# KiCad board pcb.kicad_pcb (continued)
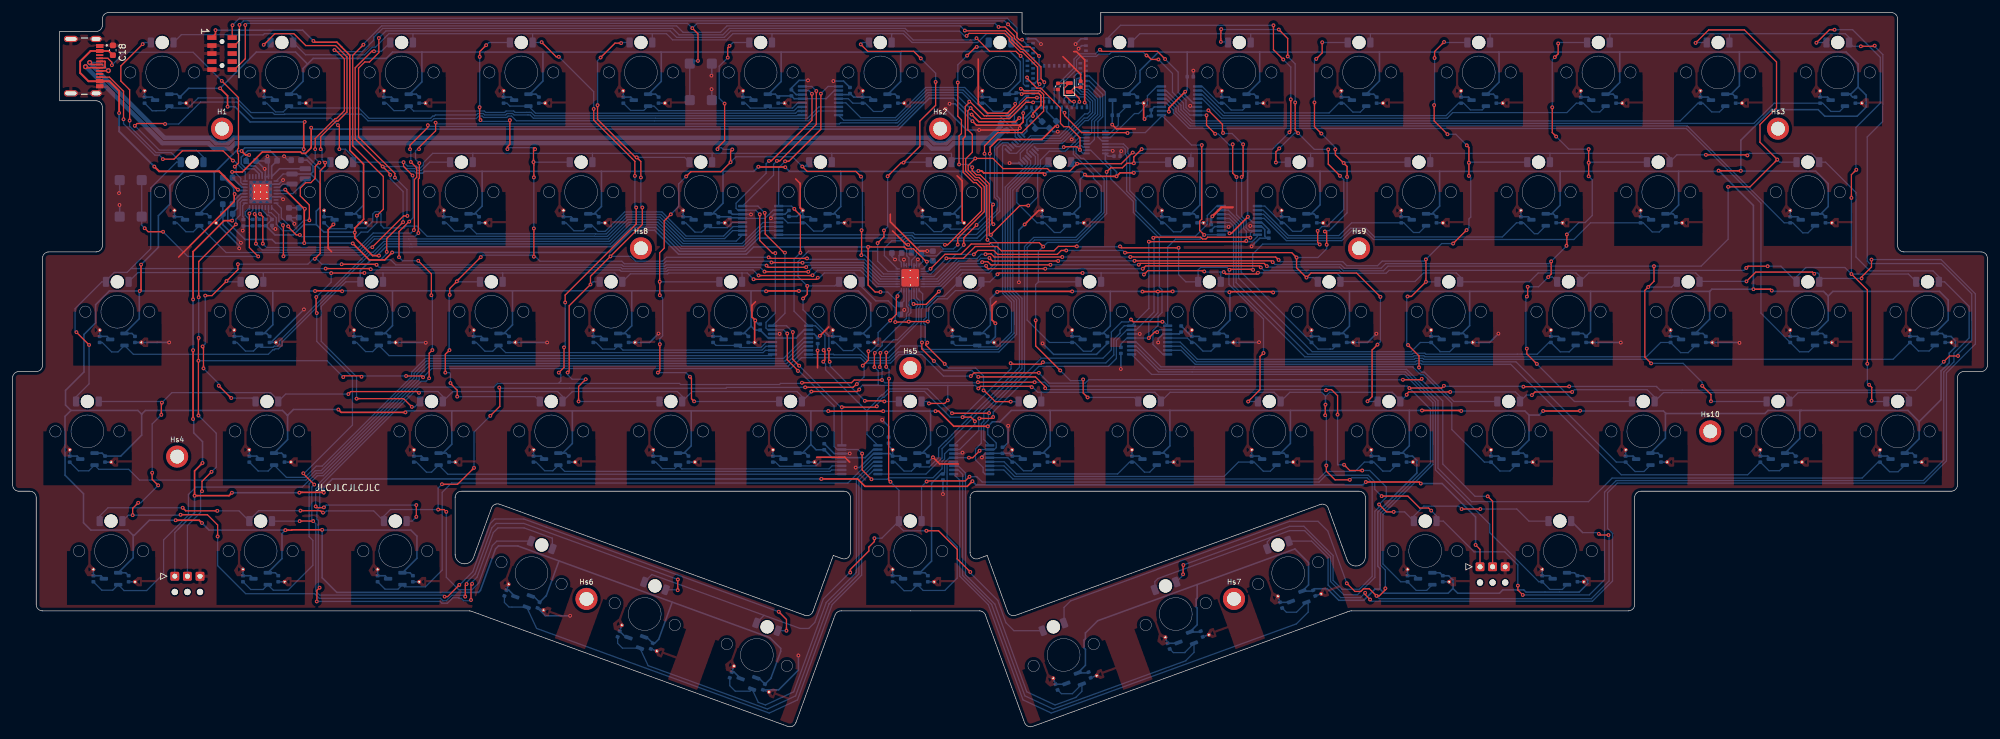
[diagram p0: board, top side]
## Routing (per net, layer and track width the routed paths; a pad name or vN(x,y) marks a point on that pad's centre or on a via; arc(x,y) is an arc through that point) (continued)
/VDD_nRF: length 232
  Top w0.25: JTAG1.1 32.21,109.96 v1(32.21,110.57) ; v1(155.13,90.93) 155.18,90.98 155.18,91.97 156.41,93.2 163.4,93.2 165.49,95.29 v1(165.86,95.29) ; v1(58.16,74.75) 57.16,74.75 54.32,77.59 v1(54.32,78.42) 54.32,79.12 55.72,80.52 55.72,89.27 53.53,91.46 53.53,106.58 52.23,107.88 52.23,107.9 51.48,108.65 47.95,108.65 v1(47.75,108.85) ; v1(155.66,82.87) 155.48,82.7 155.48,79.96 v1(155.7,79.74)
  Bottom w0.2: PMIC1.1 42.94,87.72 L1.1 ; R3.1 R4.1 40.2,79.52 C13.2 41.18,80.63 40.63,81.18 40.43,81.18 39.62,81.98 PMIC1.12
  Bottom w0.25: 47.35,87.72 48.84,86.23 48.84,82.45 48.21,81.82 48.21,79.69 ; 47.35,87.72 L1.1 ; 47.35,87.72 47.69,88.05 47.69,88.98 46.75,89.92 C25.1 ; v1(155.7,79.74) 155.31,79.74 153.12,77.55 143.2,77.55 142.78,77.96 141.56,77.96 141.14,77.55 118.4,77.55 116.3,75.44 105.9,75.44 102.11,79.23 98.13,79.23 95.08,76.18 63.4,76.18 63.05,76.18 59.27,76.18 58.16,75.07 v1(58.16,74.75) ; R4.1 41.66,78.04 44.57,78.04 46.22,79.69 48.21,79.69 ; v1(165.86,95.29) 165.7,95.46 C3.1 164.15,97.64 MDBT1.28 MDBT1.30 ; 48.21,79.69 49.41,78.49 54.24,78.49 v1(54.32,78.42) ; v1(155.13,90.93) 155.18,90.88 155.18,83.34 v1(155.66,82.87) ; v1(32.21,110.57) 32.23,110.55 46.05,110.55 v1(47.75,108.85)
GND: length 552.6
  Top w0.25: v1(127.79,59.69) 127.79,56.95 ; 117.93,67.42 117.37,66.86 117.37,65.01 v1(117.9,64.48) 117.8,64.38 Cvcc35.2 ; v1(128.15,62.02) 129.56,63.43 ; v1(146.11,42.73) 147.17,41.68 150.16,41.68 ; v1(179.7,96.45) 179.55,96.6 Cvcc9.2 ; 132.88,41.97 132.11,42.74 127.64,42.74 ; v1(156.02,64.01) 155.48,64.55 155.48,66.83 156.15,67.5 ; 159.9,95.46 v1(159.9,95) 159.6,94.71 v1(153.44,94.71) 153.41,94.74 ; 159.9,95.46 160.43,96 v1(160.43,97.39) ; 159.9,95.46 153.01,95.46 v1(152.37,96.11) ; v1(35.25,84.54) 35.18,84.48 35.18,83.36 26.36,74.53 ; v1(159.16,98.86) 159.16,98.6 157.95,97.39 154.77,97.39 153.3,98.86 153.3,105.95 ; C2.2 169.55,103.55 166.75,106.35 ; 165.86,94.39 v1(165.92,94.45) ; 178.23,94.9 175.22,94.9 v1(174.56,95.56) ; 149.96,87.43 150.75,86.64 150.75,80.27 Cvcc22.2 ; 139.69,78.69 141.89,76.49 v1(142.17,76.49) ; 139.34,81.34 139.34,80.13 143.98,75.49 v1(145.19,75.49) ; 168.45,107.16 168.89,107.16 170.19,105.85 v1(170.19,99.07) ; 50.64,75.39 50.09,75.94 50.09,78.88 v1(50.93,79.72) ; 124.31,86.94 125.02,86.22 125.02,82.35 Cvout21.2 ; Cvout23.2 162.88,81.93 v1(160.66,79.71)
  Top w0.35: 193.7,82.43 191.9,82.43 v1(190.46,80.99)
  Bottom w0.2: LEDDR1.33 143.1,71.85 LEDDR1.30 LEDDR1.31 143.5,73.94 v1(143.72,74.16) ; LEDDR1.27 LEDDR1.26 v1(141.5,74.13)
  Bottom w0.25: TMR48.3 83.88,42.93 Cvout48.2 ; Cvout33.2 74.38,61.93 TMR33.3 ; v1(41.72,78.98) 41.37,78.98 41.18,79.17 C13.1 ; TMR68.3 202.82,19.7 Cvout68.2 ; Cvcc62.2 84.57,17.57 v1(88.5,17.57) ; Cvout21.2 124.5,80.98 C15.2 ; Cvout52.2 159.88,42.93 TMR52.3 ; Cvout52.2 158.26,43.37 C31.2 155.16,43.37 MUXB8.3 154.38,43.32 153.88,42.82 v1(153.88,42.72) ; Cvout52.2 158.69,42.93 ; Cvout51.2 139.07,44.56 C17.2 ; Cvout10.2 193.13,99.93 TMR10.3 ; Cvcc32.2 65.55,60.97 v1(65.59,60.93) ; Cvout24.2 183.63,80.93 TMR24.3 ; MDBT1.33 160.43,97.78 v1(160.43,97.39) ; Cvout21.2 126.63,80.93 TMR21.3 ; C7.1 114.25,81.32 MUXB2.14 117.19,81.32 v1(117.22,81.3) ; TMR49.3 102.88,42.93 Cvout49.2 ; Cvout28.2 259.63,80.93 TMR28.3 ; TMR45.3 10.26,42.93 Cvout45.2 ; TMR26.3 221.63,80.93 Cvout26.2 ; Cvout59.2 14.01,23.93 TMR59.3 ; v1(147.69,36.89) C24.1 ; Cvout53.2 178.88,42.93 TMR53.3 ; Cvout11.2 212.13,99.93 TMR11.3 ; Cvcc24.2 188.36,79.97 ; v1(196.68,76.23) 197.98,77.53 C22.1 199.11,77.53 198.78,77.85 198.78,78.89 198.31,79.37 MUXB6.14 ; v1(40.46,90.54) 40.44,90.52 C26.2 ; TMR39.3 188.38,61.93 Cvout39.2 187.17,61.93 C30.1 ; v1(146.11,42.73) 145.34,41.97 Cvcc51.2 ; C26.2 40.39,89.79 C27.2 38.76,89.79 v1(40.01,88.54) 40.12,88.42 PMIC1.30 ; C26.2 40.62,89.65 PMIC1.31 PMIC1.30 ; Cvcc9.2 178.86,98.97 ; Cvout5.2 98.13,99.93 TMR5.3 ; TMR43.3 264.38,61.93 Cvout43.2 ; C16.2 127.81,59.71 v1(127.79,59.69) ; v1(159.16,98.86) 159.34,99.04 Cvcc8.2 ; 175.81,90.56 C20.1 175.81,91.17 v1(176,91.36) ; Cvout4.2 79.13,99.93 TMR4.3 ; TMR13.3 250.13,99.93 Cvout13.2 ; 157.29,44.33 158.04,45.08 v1(158.04,47.73) ; 157.29,44.33 157.29,44.29 ; 157.29,44.33 C31.1 ; TMR44.3 283.38,61.93 Cvout44.2 ; Cvout63.2 97.4,14.1 TMR63.3 97.78,14.23 ; PMIC1.33 40.12,85.6 PMIC1.30 ; PMIC1.33 40.62,86.1 PMIC1.2 42.28,86.1 42.93,86.75 v1(42.93,86.75) ; PMIC1.33 40.12,84.1 PMIC1.6 42.54,84.1 v1(42.93,83.71) ; v1(178.94,62.33) 178.94,62.32 MUXB7.14 ; TMR32.3 55.38,61.93 Cvout32.2 ; v1(110.94,103.34) 111,103.4 SW1.1 ; Cvout18.2 69.63,80.93 TMR18.3 ; TMR42.3 245.38,61.93 Cvout42.2 ; v1(138.05,48.68) 139.14,47.59 139.14,46.01 C17.1 ; 198.2,79.48 v1(196.48,79.48) ; SW2.1 17,84.79 v1(16.89,84.68) ; TMR35.3 112.38,61.93 Cvout35.2 ; v1(168.13,93.21) 169.41,94.49 MUXA2.8 ; TMR61.3 59.13,23.93 Cvout61.2 ; v1(160.66,79.71) 159.75,78.8 v1(159.75,70.53) ; C33.2 142.69,75.96 v1(142.17,76.49) ; Cvout50.2 121.88,42.93 TMR50.3 ; v1(187.44,104.13) 187.43,104.12 C21.1 ; v1(174.56,95.56) 174.57,95.57 Cvout9.2 174.61,97.09 TMR9.3 ; v1(121.76,62.34) 121.75,62.32 MUXB3.14 ; TMR1.3 22.13,99.93 Cvout1.2 ; MUXA1.15 159.59,93.94 159.59,94.65 159.9,94.95 v1(159.9,95) ; 13.81,61.93 Cvout30.2 15.01,61.93 TMR30.3 ; C35.2 145.2,75.48 v1(145.19,75.49) ; TMR2.3 41.13,99.93 Cvout2.2 ; TMR55.3 216.88,42.93 Cvout55.2 ; v1(152.37,96.11) 149.61,98.87 v1(148.74,98.87) ; Cvcc50.2 126.61,41.97 ; TMR6.3 117.13,99.93 Cvout6.2 ; v1(120.38,80.69) 120.38,80.82 120.88,81.32 MUXB2.3 122.62,81.32 C15.1 ; v1(163.25,108.35) 162.4,109.2 MDBT1.55 ; v1(133.84,41.11) 134.45,41.11 136.67,43.32 MUXB4.3 139.31,43.32 Cvout51.2 140.88,42.93 TMR51.3 ; Cvout14.2 269.13,99.93 TMR14.3 ; Cvcc40.2 215.1,60.97 v1(216.49,62.36) 216.48,62.37 ; C30.2 185.21,62.32 MUXB7.3 182.63,62.32 181.86,61.56 v1(181.86,60.97) ; Cvout8.2 155.13,99.93 TMR8.3 ; R6.1 38.09,79.47 R5.1 36.64,78.84 v1(36.53,78.73) ; Cvout31.2 36.38,61.93 TMR31.3 ; Cvout56.2 235.88,42.93 TMR56.3 ; v1(186.93,98.54) 187.09,98.37 MUXB5.14 ; v1(124.75,11.27) 124.75,8.95 121.61,5.8 Cvcc64.2 ; 33.38,81.54 33.38,83.06 ; 115.58,7.73 TMR64.3 114.56,8.62 Cvout64.2 ; TMR22.3 145.63,80.93 Cvout22.2 ; v1(84.85,60.96) 84.84,60.97 Cvcc33.2 ; v1(169.22,107.62) 169.7,108.1 MDBT1.2 ; Cvcc38.2 173.8,60.81 172.07,59.08 165.26,59.08 v1(163.51,60.83) ; TMR16.3 26.88,80.93 Cvout16.2 ; v1(141.55,66.14) 140.92,65.51 C36.2 ; TMR27.3 240.63,80.93 Cvout27.2 ; v1(255.3,60.96) 255.29,60.97 Cvcc42.2 ; Cvout57.2 257.26,42.93 TMR57.3 ; C8.1 118.36,63.9 117.9,64.36 v1(117.9,64.48) ; C25.2 43.71,89.92 v1(43.09,90.54) ; v1(197.87,61.01) 197.83,60.97 Cvcc39.2 ; v1(46.25,66.22) 41,60.97 Cvcc31.2 ; Cvout47.2 64.88,42.93 TMR47.3 ; Cvout41.2 226.38,61.93 TMR41.3 ; TMR65.3 140.88,23.93 Cvout65.2 ; v1(174.65,91.39) 174.55,91.49 MUXA2.15 ; Cvout23.2 164.63,80.93 TMR23.3 ; Cvout25.2 202.63,80.93 TMR25.3 ; TMR40.3 207.38,61.93 Cvout40.2 ; C29.2 190.28,78.83 190.82,79.37 MUXB6.3 192.99,79.37 v1(193.04,79.32) ; C5.1 162.35,95.42 C1.2 162.4,95 C3.2 165.15,94.45 v1(165.92,94.45) ; v1(128.15,62.02) 127.88,61.75 C16.1 127.23,62.32 MUXB3.3 ; Cvout19.2 88.63,80.93 TMR19.3 ; TMR67.3 184.97,13.2 Cvout67.2 ; v1(158.27,89.46) 158.31,89.42 159.87,89.42 MUXA1.8 ; TMR29.3 283.38,80.93 Cvout29.2 ; Cvcc1.2 Cvcc1.2 ; Cvout58.2 278.63,42.93 TMR58.3 ; 157.25,43.32 157.29,43.37 ; Cvout37.2 150.38,61.93 TMR37.3 ; SW1.1 111,101.16 v1(110.96,101.2) ; TMR15.3 288.13,99.93 Cvout15.2 ; 182.32,98.44 MUXB5.3 181.24,98.37 C28.1 C28.2 180.18,96.93 v1(179.7,96.45) ; TMR36.3 131.38,61.93 Cvout36.2 ; v1(132.9,43.34) 132.88,43.32 MUXB4.14 130.43,43.32 128.86,44.89 C9.1 ; TMR46.3 38.76,42.93 Cvout46.2 ; Cvout34.2 93.38,61.93 TMR34.3 ; MDBT1.1 169.6,109.2 v1(168.75,108.35) ; SW2.1 17,82.78 v1(16.98,82.8) ; Cvcc37.2 155.11,60.97 156.02,61.88 v1(156.02,64.01) ; C34.1 139.59,74.63 v1(140.08,74.14) ; v1(175.93,56.76) 175.94,56.77 C23.1 ; TMR72.3 302.38,61.93 Cvout72.2 ; TMR7.3 136.13,99.93 Cvout7.2 133.56,99.93 133.54,99.91 132.95,100.5 C14.2 132.75,100.32 MUXB1.3 ; Cvout60.2 37.76,23.93 TMR60.3 ; TMR54.3 197.88,42.93 Cvout54.2 ; C14.1 131.91,102.48 v1(130.29,102.48) ; Cvout17.2 50.63,80.93 TMR17.3 51.11,79.9 v1(50.93,79.72) ; Cvout3.2 60.13,99.93 TMR3.3 ; v1(170.19,99.07) 170.55,98.71 MDBT1.15 ; Cvout70.2 244.01,23.93 TMR70.3 ; v1(153.44,94.71) 151.47,94.71 v1(148.11,98.07) ; TMR38.3 169.38,61.93 Cvout38.2 ; v1(36.25,76.8) 33.39,79.66 C32.2 33.39,81.06 Cvcc16.2 35.97,76.3 v1(35.97,75.91) ; Cvout69.2 222.63,23.93 TMR69.3 ; v1(24.85,60.98) 22.95,60.98 22.94,60.97 Cvcc30.2 ; v1(235.87,62.37) 234.47,60.97 Cvcc41.2 ; Cvcc36.2 135.97,60.97 ; Cvcc19.2 93.06,79.97 ; LEDDR1.33 143.13,71.87 ; C19.2 33.48,87.14 35.05,85.56 35.05,85.53 35.1,85.48 35.1,84.69 v1(35.25,84.54) ; 79.8,20.73 TMR62.3 78.78,21.62 Cvout62.2 ; C11.2 45.42,80.79 C10.2 44.73,79.94 v1(44.73,79.8) ; Cvout66.2 167.17,6.7 TMR66.3 ; v1(126.27,102.59) 124.86,102.59 123.63,101.36 C6.1 123.64,101.08 124.4,100.32 MUXB1.14 ; MUXB8.14 150.65,43.32 v1(150.8,43.48) ; TMR20.3 107.63,80.93 Cvout20.2 106.45,81.33 ; Cvout71.2 297.63,42.93 TMR71.3 ; TMR12.3 231.13,99.93 Cvout12.2 ; Cvcc43.2 274.08,60.97 v1(274.14,60.91) ; v1(102.54,62.39) 101.12,60.97 Cvcc34.2 ; Cvcc35.2 117.11,60.97
  Bottom w0.35: v1(190.46,80.99) 190.28,80.81 C29.1
VCCS: length 2310.4
  Top w0.2: v1(181.69,62.61) 181.31,62.61 v1(180.37,61.67) ; v1(151.82,42.67) 152.43,42.67 153.51,43.76 v1(153.51,43.78)
  Top w0.25: v1(200.12,68.9) 199.98,69.04 193.25,69.04 v1(193.16,68.95) ; v1(178,87.9) 175.8,87.9 v1(175.25,87.35) 170.5,87.35 v1(170.23,87.62) ; v1(62.36,49.87) 52.17,49.87 v1(51.72,50.32) ; v1(153.31,88.2) 153.85,88.2 154.17,87.88 163.62,87.88 v1(163.85,87.66) ; v1(48.01,69.14) 48.04,69.17 52.24,69.17 v1(52.31,69.1) ; v1(276.35,69.43) 279.03,69.43 v1(279.26,69.2) ; v1(129.48,50.08) 129.51,50.05 v1(138.21,50.05) ; v1(37.55,90.75) 36.97,90.75 v1(36.35,91.36) ; v1(118.38,88.87) 118.42,88.83 122.63,88.83 v1(122.67,88.79) ; v1(20.18,69.14) 20.39,69.35 v1(20.39,73.33) ; v1(146.51,50.06) 147.02,50.06 149.42,47.66 154.81,47.66 v1(154.82,47.65) ; v1(161.97,96.93) 161.97,97.35 163.25,98.62 163.25,100.17 162.9,100.52 160.3,100.52 v1(160.19,100.41) ; v1(156.3,69) 156.38,69.07 v1(168.2,69.07) ; v1(223.74,50.17) 229.89,50.17 v1(229.97,50.09) ; v1(124.83,69.15) 119.66,69.15 v1(119.61,69.1) ; v1(196.1,80.92) 196.1,80.91 193.48,78.3 v1(193.18,78.3) ; v1(49.14,31.22) 44.33,31.22 44.28,31.17 v1(43.29,31.17) ; v1(179.36,69.05) v1(181.82,69.05) 184.13,69.05 v1(184.16,69.08) ; v1(186.15,100.79) 183.55,98.19 v1(183.55,97.61) ; v1(242.97,50.09) 248.79,50.09 v1(248.83,50.13) ; v1(274.36,88.22) 270.86,88.22 v1(270.82,88.26) ; v1(25.88,32.73) 29.62,32.73 v1(30.06,32.3) ; v1(34.13,98.41) 34.13,100.14 v1(32.94,101.33) ; v1(46.37,95.99) 46.22,95.83 v1(46.22,91.66)
  Bottom w0.2: v1(153.51,43.78) 153.71,43.97 MUXB8.2 155.85,43.97 156.15,44.27 156.15,45 154.82,46.33 v1(154.82,47.65) ; MUXB2.2 120.74,81.97 119.44,80.67 MUXB2.13 ; MUXB7.2 182.06,62.97 v1(181.69,62.61) ; v1(181.82,69.05) 181.82,65.68 180.37,64.23 v1(180.37,61.67) MUXB7.13 176.9,61.67 175.94,60.71 C23.2 ; MUXB1.2 130.46,100.97 129.16,99.67 MUXB1.13 ; v1(151.82,42.67) MUXB8.13 148.73,42.67 147.95,41.89 147.95,40.35 C24.2
  Bottom w0.25: 145.67,50.07 146.49,50.07 v1(146.51,50.06) ; 145.67,50.07 145.73,50.02 145.73,44.73 144.4,43.4 TMR51.1 144.83,43.4 Cvcc51.1 ; 145.67,50.07 138.24,50.07 v1(138.21,50.05) ; Cvcc25.1 206.58,81.4 TMR25.1 206.14,81.4 207.56,82.82 207.56,88.14 ; Cvcc65.1 144.83,24.4 TMR65.1 144.03,24.4 145.89,26.26 145.89,38.61 147.38,40.1 C24.2 ; 126.73,44.76 127.56,43.93 C9.2 130.11,42.67 MUXB4.13 135.34,42.67 136.64,43.97 MUXB4.2 ; 126.73,44.76 126.73,50.1 126.72,50.11 ; 126.73,44.76 125.37,43.4 TMR50.1 125.83,43.4 Cvcc50.1 ; 186.5,107.07 181.89,107.07 178.98,104.15 178.98,102.32 177.05,100.4 TMR9.1 178.08,100.4 Cvcc9.1 ; 186.5,107.07 186.47,107.04 C21.2 186.47,101.11 v1(186.15,100.79) 186.15,100.25 187.38,99.02 MUXB5.13 ; 186.5,107.07 197.96,107.07 ; Cvcc44.1 287.33,62.4 TMR44.1 288.23,64.48 288.23,68.34 ; 74.54,88.14 93.48,88.14 ; 74.54,88.14 65.36,88.14 65.07,87.85 64.08,87.85 63.78,88.15 63.22,88.15 63.21,88.14 60.35,88.14 60.23,88.25 59.67,88.25 59.56,88.14 55.84,88.14 ; 74.54,88.14 74.54,82.62 73.32,81.4 TMR18.1 73.58,81.4 Cvcc18.1 ; 93.48,88.14 93.48,82.56 92.32,81.4 TMR19.1 92.58,81.4 Cvcc19.1 ; 93.48,88.14 112.78,88.14 ; 117.21,69.17 117.23,69.15 117.23,63.55 ; 117.21,69.17 98.29,69.17 ; 117.21,69.17 119.54,69.17 v1(119.61,69.1) ; 288.23,68.34 287.49,69.07 279.38,69.07 v1(279.26,69.2) ; 288.23,68.34 288.96,69.07 305.89,69.07 307.28,67.69 307.28,64.54 TMR72.1 306.33,62.4 Cvcc72.1 307.73,61.93 308.43,61.22 308.43,60.26 307.44,59.27 307.44,57.74 306.14,56.45 306.14,51.88 302.66,48.4 ; 41.31,69.14 41.31,63.78 39.93,62.4 TMR31.1 40.33,62.4 Cvcc31.1 ; 41.31,69.14 v1(48.01,69.14) ; 41.31,69.14 v1(20.18,69.14) ; 126.72,50.11 129.45,50.11 v1(129.48,50.08) ; 126.72,50.11 107.73,50.11 ; Cvcc61.1 63.08,24.4 TMR61.1 64.19,26.7 64.19,30.21 63.23,31.17 49.19,31.17 v1(49.14,31.22) 49.14,23.61 51.47,21.28 73.96,21.28 74.27,21.59 76.67,28.21 77.13,28.66 80.19,28.66 83.34,27.51 ; 291.63,100.4 292.1,99.93 Cvcc15.1 ; 291.63,100.4 291.82,100.4 292.98,101.55 292.98,105.18 291.09,107.07 274.13,107.07 ; 291.63,100.4 TMR15.1 ; 43.57,49.44 43.71,49.44 44.58,50.32 v1(51.72,50.32) 51.56,50.17 ; 43.57,49.44 43.66,49.35 43.66,45.54 TMR46.1 42.7,43.4 Cvcc46.1 ; 43.57,49.44 42.84,50.17 21.08,50.17 20.49,49.58 20.49,49.57 ; Cvcc14.1 273.08,100.4 TMR14.1 272.82,100.4 274.13,101.71 274.13,107.07 ; Cvcc71.1 301.58,43.4 TMR71.1 302.66,45.67 302.66,48.4 ; v1(156.3,69) 155.23,67.92 155.23,63.72 153.91,62.4 TMR37.1 154.33,62.4 Cvcc37.1 ; v1(163.85,87.66) 164.27,88.08 169.77,88.08 v1(170.23,87.62) 169.48,86.86 169.48,82.55 168.32,81.4 TMR23.1 168.58,81.4 Cvcc23.1 ; 269.41,69.07 269.41,64.67 TMR43.1 268.33,62.4 Cvcc43.1 ; 269.41,69.07 269.76,69.43 v1(276.35,69.43) 276.35,82.73 v1(270.82,88.26) 270.7,88.14 264.48,88.14 ; 269.41,69.07 250.5,69.07 ; Cvcc32.1 59.33,62.4 TMR32.1 59.07,62.4 60.31,63.64 60.31,69.17 ; TMR68.1 205.73,22.47 205.73,26.02 203.58,28.16 203.54,28.16 187.99,22.51 ; TMR68.1 206.34,21.49 Cvcc68.1 206.71,21.86 208.7,21.86 210.54,20.03 214.5,20.03 216.28,21.81 217.08,21.81 ; TMR68.1 204.75,21.57 ; 274.13,107.07 255.13,107.07 ; 131.47,88.13 123.33,88.13 v1(122.67,88.79) ; 131.47,88.13 131.48,88.12 131.48,82.55 130.32,81.4 TMR21.1 130.58,81.4 Cvcc21.1 ; 131.47,88.13 150.66,88.13 ; 240.73,49.44 240.08,50.09 v1(229.97,50.09) ; 240.73,49.44 242.32,49.44 v1(242.97,50.09) ; 240.73,49.44 240.73,45.48 TMR56.1 239.83,43.4 Cvcc56.1 ; 86.73,26.27 84.72,20.76 84.72,20.76 Cvcc62.1 82.66,20.71 TMR62.1 ; 216.99,107.07 216.99,102.5 TMR11.1 216.08,100.4 Cvcc11.1 ; 216.99,107.07 235.91,107.07 ; 216.99,107.07 197.96,107.07 ; 140.98,107.05 140.98,102.4 138.97,100.4 TMR7.1 140.08,100.4 Cvcc7.1 ; 140.98,107.05 141.1,107.17 158.36,107.17 159.98,105.55 159.98,102.48 TMR8.1 159.13,100.4 Cvcc8.1 159.99,100.61 v1(160.19,100.41) ; 140.98,107.05 140.95,107.07 122.01,107.07 ; 231.31,69.07 250.5,69.07 ; 231.31,69.07 212.19,69.07 ; 231.31,69.07 231.31,63.64 230.07,62.4 TMR41.1 230.33,62.4 Cvcc41.1 ; 250.5,69.07 250.5,62.63 Cvcc42.1 249.33,62.4 TMR42.1 ; Cvcc47.1 68.83,43.4 TMR47.1 68.32,43.4 69.73,44.81 69.73,50.09 69.71,50.11 ; 196.07,88.14 188.41,88.14 ; 196.07,88.14 207.56,88.14 ; 196.07,88.14 196.06,88.13 196.06,80.96 v1(196.1,80.92) 196.1,80.8 196.88,80.02 MUXB6.13 198.31,80.02 199.42,78.91 C22.2 ; 188.41,88.14 177.78,88.14 177.78,88.12 v1(178,87.9) ; 188.41,88.14 188.48,88.07 188.48,82.78 187.1,81.4 TMR24.1 187.58,81.4 Cvcc24.1 ; v1(46.37,95.99) 37.7,95.99 35.28,98.41 v1(34.13,98.41) ; 64.97,107.07 84.19,107.07 ; 64.97,107.07 60.32,107.07 59.32,106.07 47.72,106.07 46.82,105.18 ; 64.97,107.07 64.98,107.07 64.98,102.34 63.03,100.4 TMR3.1 64.08,100.4 Cvcc3.1 ; 84.19,107.07 102.92,107.07 ; 84.19,107.07 84.19,102.48 82.11,100.4 TMR4.1 83.08,100.4 Cvcc4.1 ; 174.26,69.07 174.26,63.59 173.07,62.4 TMR38.1 173.33,62.4 Cvcc38.1 ; 174.26,69.07 179.33,69.07 v1(179.36,69.05) ; 174.26,69.07 v1(168.2,69.07) ; 32.01,87.91 32.01,83.77 TMR16.1 30.83,81.4 Cvcc16.1 ; 32.01,87.91 35.47,91.36 v1(36.35,91.36) 36.87,91.88 45.99,91.88 v1(46.22,91.66) 46.22,91.09 49.17,88.14 55.84,88.14 ; 32.01,87.91 31.84,88.07 27.16,88.07 24.98,85.89 24.98,82.94 23.14,81.1 23.14,76.08 v1(20.39,73.33) ; 117.23,63.55 117.84,62.94 C8.2 119.94,61.67 MUXB3.13 124.37,61.67 125.67,62.97 MUXB3.2 ; 117.23,63.55 116.07,62.4 TMR35.1 116.33,62.4 Cvcc35.1 ; TMR45.1 14.21,43.4 Cvcc45.1 17.17,42.93 20.49,46.25 20.49,49.57 ; 69.71,50.11 62.6,50.11 v1(62.36,49.87) ; 69.71,50.11 88.86,50.11 ; 112.78,88.14 117.65,88.14 v1(118.38,88.87) ; 112.78,88.14 112.78,83.09 111.09,81.4 TMR20.1 111.58,81.4 Cvcc20.1 113.69,80.93 C7.2 ; 207.56,88.14 226.54,88.14 ; 187.99,22.51 188.05,22.45 188.05,20.37 187.89,20.21 187.89,18.95 188.05,18.79 188.05,16.14 TMR67.1 ; 187.99,22.51 172.26,16.78 170.31,14.83 170.31,13.93 170.09,13.71 170.09,12.45 170.31,12.23 170.31,9.7 TMR66.1 ; 102.92,107.07 102.98,107.02 102.98,102.42 100.95,100.4 TMR5.1 102.08,100.4 Cvcc5.1 ; 102.92,107.07 122.01,107.07 ; Cvcc26.1 225.58,81.4 TMR26.1 225.32,81.4 226.54,82.62 226.54,88.14 ; 283.97,50.17 283.72,50.17 283.72,45.73 TMR58.1 282.58,43.4 Cvcc58.1 283.36,42.93 ; 283.97,50.17 300.89,50.17 302.66,48.4 ; 283.97,50.17 278.67,50.17 278.19,49.68 262.47,49.68 ; 164.66,50.17 158.54,50.17 156.75,48.37 155.55,48.37 v1(154.82,47.65) ; 164.66,50.17 183.72,50.17 ; 164.66,50.17 164.73,50.1 164.73,44.55 163.57,43.4 TMR52.1 163.83,43.4 Cvcc52.1 ; Cvcc2.1 45.08,100.4 TMR2.1 44.07,100.4 46.11,102.44 46.11,104.47 46.82,105.18 ; Cvcc17.1 54.58,81.4 TMR17.1 54.32,81.4 55.67,82.75 55.67,87.97 55.84,88.14 ; 46.82,105.18 44.92,107.07 38.69,107.07 v1(32.94,101.33) 27.95,101.33 Cvcc1.1 26.08,100.4 TMR1.1 ; 255.13,107.07 255.13,102.25 253.28,100.4 TMR13.1 254.08,100.4 Cvcc13.1 ; 255.13,107.07 235.91,107.07 ; Cvcc33.1 78.33,62.4 TMR33.1 77.99,62.4 79.36,63.77 79.36,69.17 ; 20.49,49.57 19.89,50.17 9.26,50.17 ; v1(248.83,50.13) 248.87,50.09 262.07,50.09 262.47,49.68 ; v1(153.31,88.2) 153.23,88.13 150.66,88.13 ; TMR67.1 188.49,14.99 Cvcc67.1 ; TMR67.1 186.9,15.07 ; TMR66.1 169.1,8.57 ; TMR66.1 170.69,8.49 Cvcc66.1 ; 183.72,50.17 202.85,50.17 ; 183.72,50.17 183.73,50.16 183.73,44.55 182.57,43.4 TMR53.1 182.83,43.4 Cvcc53.1 ; 202.85,50.17 221.72,50.17 ; 202.85,50.17 202.85,44.94 201.31,43.4 TMR54.1 201.83,43.4 Cvcc54.1 ; 60.31,69.17 79.36,69.17 ; 60.31,69.17 52.39,69.17 v1(52.31,69.1) ; 79.36,69.17 98.29,69.17 ; Cvcc27.1 244.58,81.4 TMR27.1 244.32,81.4 245.67,82.75 245.67,88.14 ; 212.19,69.07 200.29,69.07 v1(200.12,68.9) ; 212.19,69.07 212.23,69.04 212.23,63.55 211.07,62.4 TMR40.1 211.33,62.4 Cvcc40.1 ; TMR64.1 118.43,7.71 Cvcc64.1 120.37,7.64 120.38,7.64 121.93,11.91 121.93,12.39 120.24,14.08 83.31,27.52 ; 197.96,107.07 197.98,107.06 197.98,102.41 195.96,100.4 TMR10.1 197.08,100.4 Cvcc10.1 ; 88.86,50.11 88.86,44.93 87.33,43.4 TMR48.1 87.83,43.4 Cvcc48.1 ; 88.86,50.11 107.73,50.11 ; 19.14,30.33 19.14,26.77 TMR59.1 17.95,24.4 Cvcc59.1 ; 19.14,30.33 19.31,30.33 21.71,32.73 v1(25.88,32.73) ; 19.14,30.33 18.3,31.17 12.42,31.17 11.25,32.34 11.25,36.95 8.33,39.88 8.33,49.24 9.26,50.17 ; Cvcc22.1 149.58,81.4 TMR22.1 149.32,81.4 150.66,82.74 150.66,88.13 ; 245.67,88.14 226.54,88.14 ; 245.67,88.14 264.48,88.14 ; Cvcc39.1 192.33,62.4 TMR39.1 193.25,64.51 193.25,68.86 v1(193.16,68.95) 193.16,69.04 193.12,69.08 v1(184.16,69.08) ; MUXB6.2 192.75,78.72 v1(193.18,78.3) ; 221.72,50.17 221.73,50.16 221.73,44.55 220.57,43.4 TMR55.1 220.83,43.4 Cvcc55.1 222.23,42.93 222.93,42.22 222.93,40.23 216.72,34.02 216.72,25.44 217.08,25.08 217.08,22.51 217.09,22.5 217.09,21.82 217.08,21.81 ; 221.72,50.17 v1(223.74,50.17) ; v1(20.18,69.14) 20.11,69.07 20.11,64.74 TMR30.1 18.95,62.4 Cvcc30.1 ; v1(20.18,69.14) 15.35,69.14 13.18,66.96 13.18,64.09 11.33,62.24 11.33,56.28 8.4,53.35 8.4,51.02 9.26,50.17 ; 262.47,49.68 262.38,49.59 262.38,45.76 TMR57.1 261.2,43.4 Cvcc57.1 ; v1(183.55,97.61) 183.45,97.72 MUXB5.2 ; 135.55,61.93 135.08,62.4 TMR36.1 135.05,62.4 136.23,63.58 136.23,67.18 134.26,69.15 v1(124.83,69.15) ; 104.71,19.73 102.57,13.84 101.93,13.2 Cvcc63.1 100.63,14.21 TMR63.1 ; C7.2 115.8,80.76 MUXB2.13 ; C7.2 113.83,80.76 ; 217.08,21.81 217.74,21.15 227.89,21.15 228.68,21.93 ; 264.48,88.14 264.48,82.79 263.09,81.4 TMR28.1 263.58,81.4 Cvcc28.1 ; 98.29,69.17 98.29,63.62 97.07,62.4 TMR34.1 97.33,62.4 Cvcc34.1 ; 293.07,101.42 294.25,100.24 294.25,98.32 292.82,96.9 287.68,96.9 286.64,97.94 279.22,97.94 274.36,93.08 v1(274.36,88.22) 274.41,88.17 286.24,88.17 288.23,86.18 288.23,82.55 287.07,81.4 TMR29.1 287.33,81.4 Cvcc29.1 ; TMR69.1 226.58,24.4 Cvcc69.1 227.98,23.93 228.68,23.22 228.68,21.93 ; 122.01,107.07 122.01,102.41 120,100.4 TMR6.1 121.08,100.4 Cvcc6.1 121.74,100.12 C6.2 124.08,99.67 MUXB1.13 ; Cvcc12.1 235.08,100.4 TMR12.1 234.07,100.4 235.98,102.3 235.98,107.01 235.91,107.07 ; Cvcc49.1 106.83,43.4 TMR49.1 106.57,43.4 107.73,44.56 107.73,50.11 ; MUXA1.16 161.01,94.52 C5.2 161,95.42 161,96.3 161.63,96.93 v1(161.97,96.93) ; v1(175.25,87.35) 175.25,88.05 173.47,89.83 MUXA2.16 173.91,90.55 C20.2 ; 228.68,21.93 228.68,21.88 229.41,21.15 236.04,21.15 236.57,21.68 239.89,21.68 240.25,21.32 243.27,21.32 243.27,21.32 245.59,21.32 245.59,21.32 248.7,21.32 250.05,22.68 250.05,23.22 249.35,23.93 Cvcc70.1 247.96,24.4 TMR70.1 ; v1(30.06,32.3) 31.19,31.17 v1(43.29,31.17) 43.29,31.15 42.76,30.62 42.76,26.64 TMR60.1 41.7,24.4 Cvcc60.1 ; v1(37.55,90.75) 37.07,90.27 C27.1 37.87,88.98 38.52,88.98 39.62,87.88 PMIC1.29
/AIN0: length 22
  Bottom w0.2: MUXA1.4 161.03,91.09 161.03,91.53 162.09,92.59 166.66,92.59 170.27,96.2 170.74,96.2 171.85,97.32 171.85,99.46 170.56,100.76 169.75,100.76 168.92,101.59 168.9,101.59 168.9,102.6 168.9,102.8 169,102.9 MDBT1.11
/AIN1: length 24.4
  Bottom w0.2: MUXA1.7 159.97,90.03 159.97,91.03 161.93,92.99 166.49,92.99 170.11,96.6 170.57,96.6 171.45,97.48 171.45,99.3 170.39,100.36 169.53,100.36 168.5,101.39 168.5,103.19 169,103.7 MDBT1.9
/AIN2: length 13.3
  Bottom w0.2: MDBT1.20 167.65,98 167.65,95.28 166.16,93.79 161.59,93.79 159.87,92.06 159.35,92.06 MUXA1.12
/AIN3: length 22.6
  Bottom w0.2: MDBT1.21 166.95,99.7 167.21,99.96 170.23,99.96 171.05,99.13 171.05,97.65 170.67,97.27 170.21,97.27 166.33,93.39 161.76,93.39 159.38,91 158.29,91 MUXA1.9
/AIN4: length 10.8
  Bottom w0.2: 170.43,93.95 MUXA2.7 171.03,93.99 171.3,94.26 171.3,96.2 172.25,97.15 172.25,99.63 170.72,101.16 169.92,101.16 169.5,101.58 MDBT1.13
/AIN5: length 10.4
  Bottom w0.2: MDBT1.10 170.9,103.3 173.47,100.73 MUXA2.9
/AIN6: length 11.7
  Bottom w0.2: MUXA2.4 171.03,92.49 171.74,93.19 171.74,96.07 172.65,96.98 172.65,99.79 172.65,99.79 172.65,99.94 170.9,101.7 MDBT1.14
/AIN7: length 12
  Bottom w0.2: MUXA2.12 172.91,92.99 172.29,93.61 172.29,96.05 173.05,96.82 173.05,100.34 170.9,102.5 MDBT1.12
/ANA_01: length 114.8
  Bottom w0.2: MUXB1.7 127.91,97.72 126.35,96.16 101.89,96.16 101.89,96.17 79.97,96.17 79.21,96.92 78.67,96.92 78.45,96.69 74.78,96.69 74.55,96.92 74.01,96.92 73.61,96.52 66.88,96.52 66.53,96.16 56.42,96.16 55.36,97.23 43.18,97.23 43.13,97.18 41.57,97.18 41.27,97.48 37.84,97.48 35.52,99.8 29.47,99.8 27.87,98.2 25.19,98.2 TMR1.2 24.16,97.77 22.76,97.77 22.76,97.76 22.16,97.76 Cvout1.1
/ANA_02: length 94.5
  Bottom w0.2: Cvout2.1 40.35,98.97 41.74,97.58 42.97,97.58 TMR2.2 44.19,98.2 54.96,98.2 56.59,96.56 66.36,96.56 66.72,96.92 66.94,96.92 67.12,97.09 73.62,97.09 73.85,97.32 74.72,97.32 74.94,97.09 78.28,97.09 78.51,97.32 79.38,97.32 79.6,97.09 82.16,97.09 82.69,96.57 102.06,96.57 102.06,96.56 126.19,96.56 127.99,98.37 MUXB1.6
/ANA_03: length 68.1
  Bottom w0.2: MUXB1.9 124.65,97.07 124.55,96.97 82.85,96.97 82.32,97.49 79.77,97.49 79.54,97.72 78.34,97.72 78.12,97.49 75.11,97.49 74.88,97.72 63.66,97.72 TMR3.2 62.17,97.78 60.54,97.78 59.35,98.97 Cvout3.1
/ANA_04: length 48.5
  Bottom w0.2: Cvout4.1 78.47,98.97 78.94,98.5 TMR4.2 83.02,97.37 124.3,97.37 124.65,97.72 MUXB1.10 125.24,97.57
/ANA_05: length 30
  Bottom w0.2: 125.24,98.22 MUXB1.11 124.65,98.37 124.06,97.78 102.55,97.78 101.83,98.5 TMR5.2 100.2,97.81 98.11,97.81 Cvout5.1
/ANA_06: length 10.4
  Bottom w0.2: Cvout6.1 116.33,98.97 117.11,98.19 119.58,98.19 TMR6.2 120.19,98.2 123.82,98.2 124.64,99.02 MUXB1.12
/ANA_07: length 9
  Bottom w0.2: MUXB1.4 132.67,99.67 133.37,98.97 Cvout7.1 135.35,98.97 136.67,97.65 138.04,97.65 TMR7.2
/ANA_08: length 31.7
  Bottom w0.2: TMR8.2 157.06,97.67 155.64,97.67 154.34,98.97 Cvout8.1 153.64,98.97 151.15,101.46 144.95,101.46 140.15,96.66 134.64,96.66 132.28,99.02 MUXB1.5
/ANA_09: length 6.3
  Bottom w0.2: MUXA2.10 174.03,93.99 175.53,95.49 Cvout9.1 175.53,97.14 TMR9.2
/ANA_10: length 9.6
  Bottom w0.2: TMR10.2 195.27,97.88 193.44,97.88 192.35,98.97 Cvout10.1 191.5,98.97 188.85,101.62 MUXB5.9
/ANA_11: length 29.9
  Bottom w0.2: MUXB5.10 188.85,100.97 192.4,97.42 209,97.42 210.55,98.97 Cvout11.1 211.35,98.97 212.77,97.55 213.94,97.55 TMR11.2
/ANA_12: length 48.7
  Bottom w0.2: TMR12.2 233.29,97.9 231.42,97.9 230.35,98.97 Cvout12.1 229.55,98.97 227.57,96.99 192.18,96.99 188.85,100.32 MUXB5.11
/ANA_13: length 68
  Bottom w0.2: MUXB5.12 188.85,99.67 191.93,96.59 227.74,96.59 228.62,97.47 246.74,97.47 248.24,98.97 Cvout13.1 249.35,98.97 250.74,97.58 251.97,97.58 TMR13.2